# Allegro board RK3576_Template_LP5D315P132SD8_25x36_2400MHz_H1R6_V11_20240530YWQ.brd (continued)
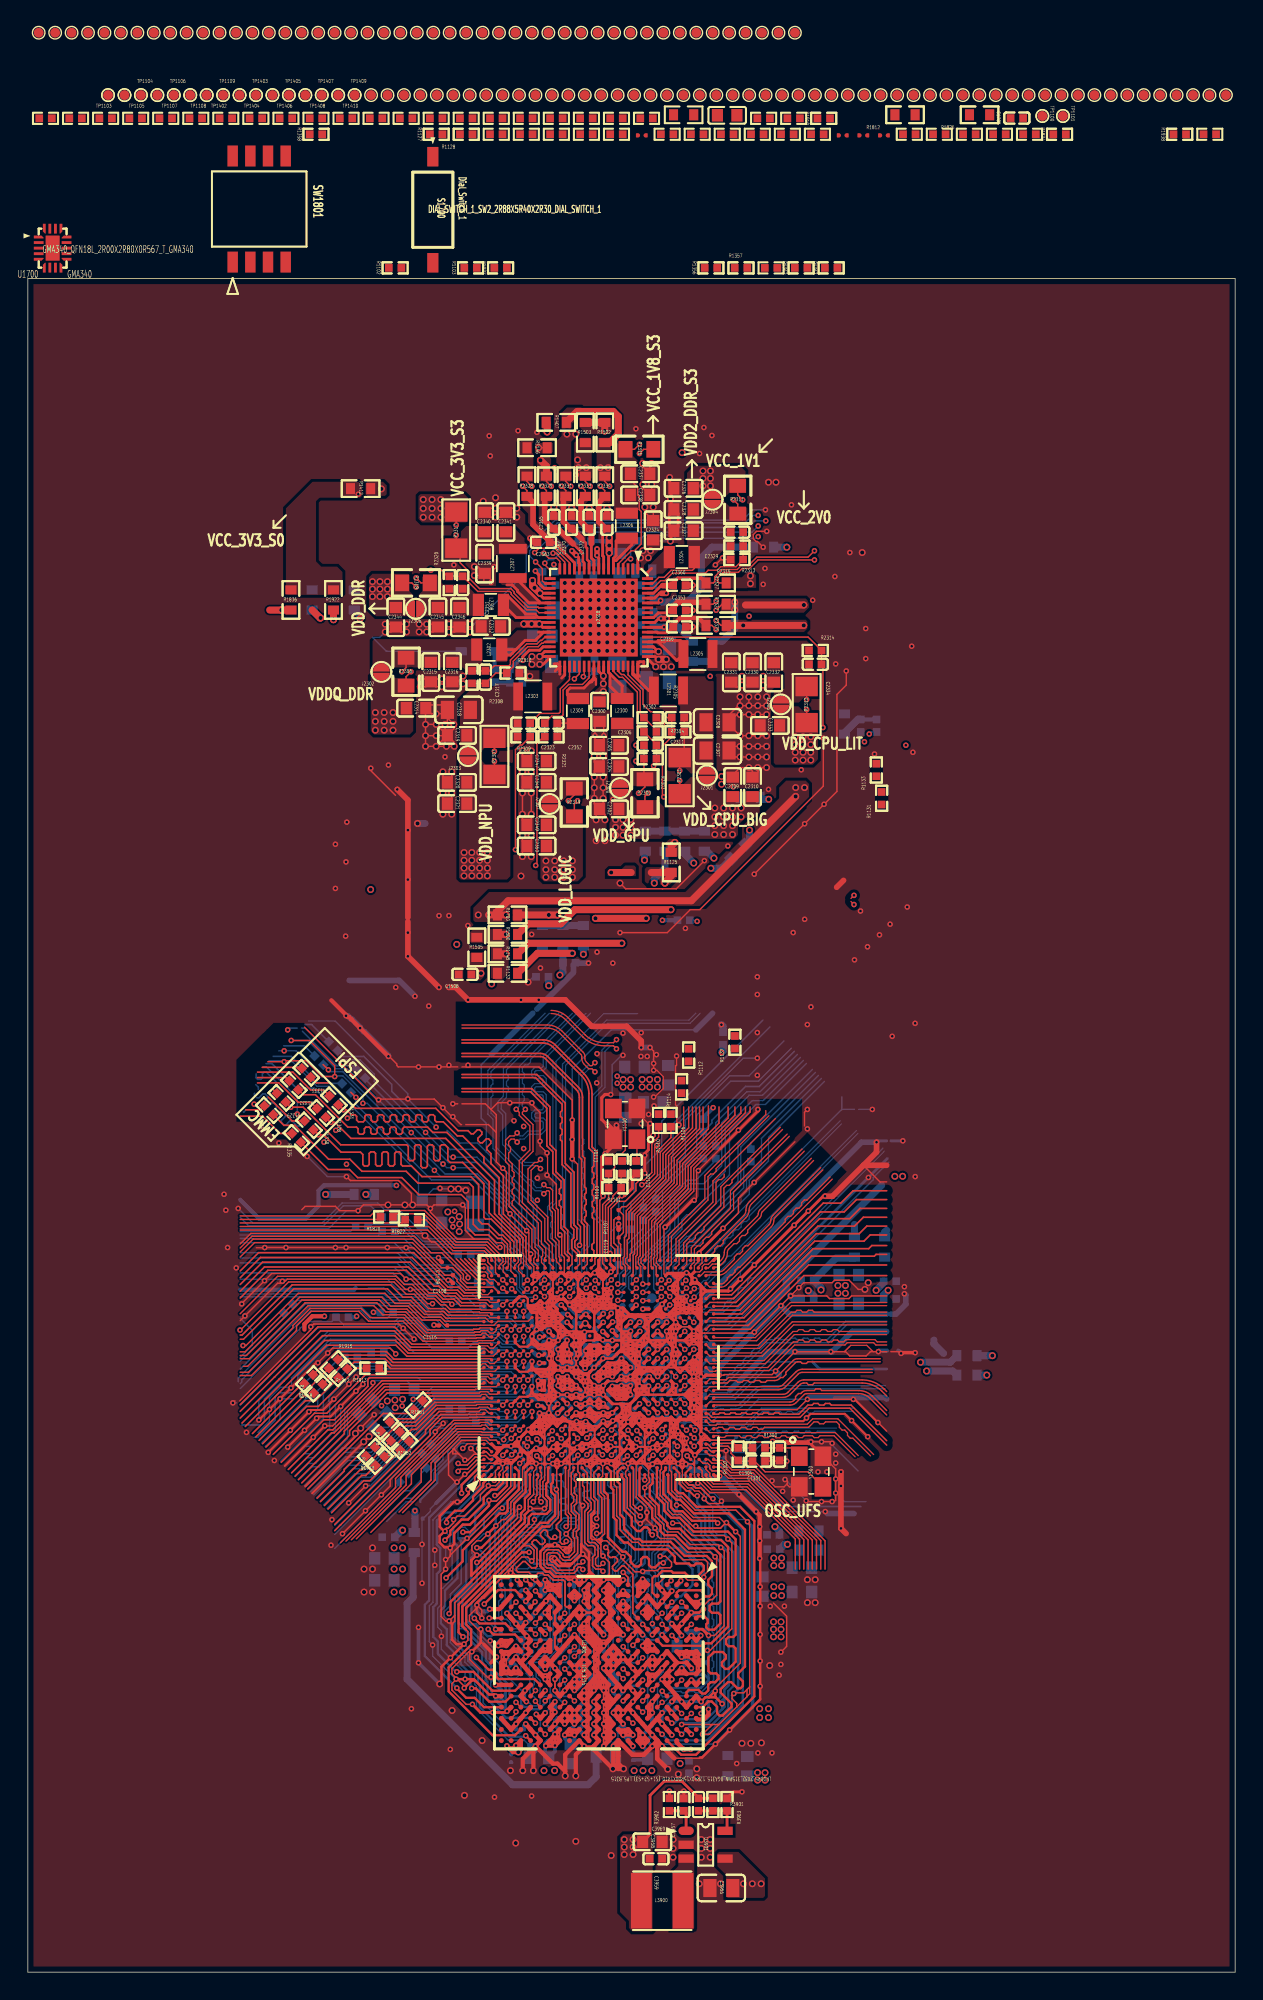
[diagram p0: board, top side]
## Routing (per net, layer and track width the routed paths; a pad name or vN(x,y) marks a point on that pad's centre or on a via; arc(x,y) is an arc through that point) (continued)
  L3-POWER w0.089: 45.11,39.86 45.34,39.63 ; 45.11,39.86 47.33,39.86 47.41,39.94 48.77,39.94 ; 45.11,39.86 44.92,40.05 44.92,40.48 ; 40.39,41.81 40.39,41.63 40.37,41.62 40.37,41.16 v1(40.05,40.83) ; 40.39,41.81 41.02,41.81 ; 40.39,41.81 39.91,41.81 39.72,41.62 39.72,41.16 v1(39.4,40.83) ; 44.92,40.48 44.76,40.48 44.73,40.51 44.46,40.51 44.43,40.48 42.35,40.48 41.67,41.16 v1(41.35,40.83) ; 44.92,40.48 44.92,40.97 44.73,41.16 43.81,41.16 43.79,41.14 43.15,41.14 43.14,41.15 42.29,41.15 41.63,41.81 41.02,41.81 ; v1(40.7,40.83) U1000.2G3 41.02,41.81
  L3-POWER w0.102: v1(28.96,100.71) 28.83,100.84 24.77,100.84 22.99,99.06 22.99,95.88 27.69,91.19 29.63,91.19 32.15,88.67 40.08,88.67 40.6,89.18 41.52,89.18 42.03,88.67 47.9,88.67 48.46,89.22 56.44,89.22 56.98,89.76 60.58,89.76 64.14,86.2 64.14,70.21 59.49,65.55 59.49,45.12 56.35,41.99 55.81,41.99 53.76,39.94 48.77,39.94 ; 45.34,39.63 45.61,39.36
  L3-POWER w0.381: v1(39.4,40.83) v1(40.05,40.83) v1(40.7,40.83) v1(41.35,40.83)
  L6-SIG w0.089: 40.39,41.81 40.39,41.63 40.37,41.62 40.37,41.16 v1(40.05,40.83) ; 40.39,41.81 41.02,41.81 ; 40.39,41.81 39.91,41.81 39.72,41.62 39.72,41.16 v1(39.4,40.83) ; v1(41.35,40.83) 41.94,41.43 41.94,41.68 41.81,41.81 41.02,41.81 ; 41.02,41.81 U1000.2G3 v1(40.7,40.83)
  L6-SIG w0.381: v1(41.35,40.83) v1(40.7,40.83) v1(40.05,40.83) v1(39.4,40.83)
  BOTTOM w0.305: 41.73,40.65 41.53,40.65 v1(41.35,40.83) 41.13,40.62 C1206.1 40.91,40.62 v1(40.7,40.83) 40.47,40.61 C1208.1 40.27,40.61 v1(40.05,40.83) 39.82,40.61 C1207.1 39.62,40.61 v1(39.4,40.83)
  vias: v1(63.08,88.14) v2(24.76,99.89) v2(24.76,99.35) v2(24.76,98.82) v2(25.3,99.89) v2(25.3,99.35) v2(25.3,98.82) v2(25.83,99.89) v2(25.83,99.35) v2(25.83,98.82) v2(53.59,29.75) v2(53.59,29.21) v2(54.15,29.75) v2(54.15,29.21)
VDD_DDR_S0_P: length 1.1
  TOP w0.102: v1(27.89,100.16) 28.25,99.8 R2318.2
VDD_GPU_S0: length 115.3
  TOP w0.102: U1000.2D4 39.05,41.83 38.45,41.83 ; v1(44.54,84.69) 44.34,84.48 R2300.1 ; 39.1,41.83 39.7,41.83 ; v1(44.96,86.66) 45.16,86.86 R2303.2 C2306.2 45.16,88.19 R2302.1 43.79,89.57 43.79,91.95 42.73,93.01 42.5,93.01 42.07,93.44 U2300.46
  TOP w0.178: v1(39.4,42.13) v1(38.75,42.13) v1(38.1,42.13) v1(38.1,42.78) v1(38.75,42.78)
  TOP w0.203: v1(39.4,42.13) U1000.2D4 v1(38.75,42.13)
  TOP w0.229: v1(38.75,42.13) U1000.2C4 v1(38.1,42.13) U1000.2C5 ; v1(38.75,42.13) U1000.2C5 ; v1(38.75,42.13) U1000.2D5 ; U1000.2C5 U1000.2D5 ; U1000.2C5 38.42,42.46 ; U1000.2D5 v1(39.4,42.13) U1000.2E4 ; U1000.2D5 v1(38.75,42.78) 38.42,42.46 ; 38.42,42.46 v1(38.1,42.78)
  L3-POWER w0.089: 37.7,39.83 38.21,39.83 38.4,40.02 38.4,40.42 38.48,40.51 38.88,40.51 39.07,40.7 U1000.2D4 v1(39.4,42.13) 39.72,42.46 39.72,42.92 39.53,43.11 39.26,43.11 38.93,42.78 v1(38.75,42.78) ; 34.16,43.03 37.48,43.03 37.72,42.78 v1(38.1,42.78)
  L3-POWER w0.102: 32.77,43.18 32.92,43.03 34.16,43.03 ; v1(25.41,40.69) 25.12,40.69 22.48,43.33 22.48,61.31 22.12,61.67 22.12,63.81 22.48,64.17 22.48,83.79 26.35,87.66 30.8,87.66 31.4,88.26 43.06,88.26 44.66,86.66 v1(44.96,86.66)
  L3-POWER w0.33: v1(38.1,42.78) v1(38.75,42.78)
  L6-SIG w0.089: v1(38.75,42.78) 38.93,42.78 39.26,43.11 39.53,43.11 39.72,42.92 39.72,42.46 v1(39.4,42.13) U1000.2D4 39.07,40.7 ; 38.12,39.75 38.86,39.75 39.07,39.96 39.07,40.7 ; 38.12,39.75 36.2,39.75 ; 38.12,39.75 38.4,40.02 38.4,40.42 38.48,40.51 38.88,40.51 39.07,40.7
  L6-SIG w0.33: v1(38.75,42.78) v1(38.1,42.78)
  BOTTOM w0.152: v1(39.4,42.13) v1(38.75,42.78) ; C1029.1 37.58,42.27 v1(38.1,42.78)
  BOTTOM w0.254: v1(38.1,42.78) 38.19,42.78 C1026.1 38.65,42.78 v1(38.75,42.78)
  BOTTOM w0.305: v1(38.1,42.13) 38.42,41.81 U1000.2C4 38.42,41.81 v1(38.75,42.13) 39.07,41.81 U1000.2D4 39.07,41.81 v1(39.4,42.13)
  vias: v1(26.9,40.67) v1(42.04,84.25) v2(25.82,41.03) v2(26.37,41.1) v2(26.39,40.55) v2(26.92,41.16) v2(42.22,82.79) v2(42.22,82.24) v2(42.22,81.68) v2(42.76,82.79) v2(42.76,82.24) v2(42.76,81.68) v2(43.32,82.79) v2(43.32,82.24) v2(43.32,81.68)
VDD_GPU_S0_P: length 3.7
  TOP w0.102: C2306.1 R2303.1 44.26,85.76 R2300.2 44.34,85.14 v1(43.88,84.69)
VDD_LOGIC_S0: length 119.5
  TOP w0.102: R2319.2 39.26,83.92 v1(39.49,84.15) ; U2300.41 40.32,92.98 39.85,92.5 38.85,92.5 38.46,92.11 38.46,90.32 38.35,90.22 37.63,90.22 C2352.2 R2321.2 37.05,88.74 36.58,88.27 36.58,79.59 v1(36.49,79.5)
  TOP w0.178: 40.97,45.06 40.42,45.06 ; v1(40.7,44.08) v1(40.05,44.08)
  TOP w0.203: v1(40.7,44.78) 40.24,44.78 v1(40.08,44.63) ; v1(40.08,44.63) 40.3,44.41 U1000.2F8 U1000.2F9 40.08,44.77 v1(40.08,44.63) ; v1(40.08,44.63) 40.08,44.12
  TOP w0.229: U1000.2G8 40.7,44.73 ; U1000.2G8 v1(40.7,44.08) ; U1000.2G8 41.11,44.5 ; U1000.2G8 U1000.2G9 41.02,45.06 ; U1000.2G8 U1000.2F8 ; 40.7,44.73 v1(40.7,44.78) ; 40.7,44.73 U1000.2F8 ; U1000.2F8 v1(40.05,44.08) ; U1000.2F8 v1(40.7,44.08) ; 41.58,44.5 U1000.2H8 v1(42,44.73) ; 41.58,44.5 41.11,44.5 ; 41.58,44.5 41.35,44.73 ; v1(41.35,44.78) 41.4,44.73 v1(42,44.73) ; v1(41.35,44.78) 41.07,45.06 41.02,45.06 ; v1(41.35,44.78) v1(40.7,44.78) ; v1(41.35,44.78) 41.35,44.73 ; v1(41.35,44.78) 41.4,44.78 U1000.2H9 v1(42,44.73) ; U1000.2E7 v1(40.05,44.08) ; U1000.2E7 39.72,43.71 v1(40.04,43.39) 40.04,43.43 U1000.2F7 ; U1000.2E7 U1000.2F7 ; v1(40.05,44.08) U1000.2F7 ; U1000.2F7 v1(40.7,44.08) ; 41.11,44.5 41.35,44.73 ; v1(40.7,44.78) 40.42,45.06 U1000.2F9 ; v1(40.7,44.78) 40.97,45.06 41.02,45.06 ; v1(42,44.73) U1000.2J9
  L3-POWER w0.089: 41.16,47.62 41.16,50.5 41.16,50.5 41.16,50.54 41.15,50.55 ; 41.16,47.62 40.89,47.36 40.89,45.24 v1(41.35,44.78) ; 41.16,47.62 41.31,47.62 41.58,47.89 41.53,47.95 41.57,47.99 41.57,50.46 41.66,50.55 ; 39.12,45.85 39.26,45.71 39.53,45.71 ; 39.12,45.85 37.92,47.05 37.92,47.87 ; 39.12,45.85 39.12,45.57 39.07,45.52 39.07,43.95 39.26,43.76 39.67,43.76 ; 39.72,43.76 39.67,43.76 ; 39.72,43.76 39.72,43.71 ; 39.72,43.76 40.04,44.08 ; 39.67,43.76 39.72,43.71 ; 37.31,50.55 37.31,50.44 37.8,49.96 37.8,48 37.92,47.87 ; 39.53,45.71 39.11,46.13 39.11,47.51 39.01,47.6 38.19,47.6 37.92,47.87 ; 39.53,45.71 40.05,45.19 ; 39.72,43.71 v1(40.04,43.39) ; 38.48,50.16 38.09,50.16 37.92,50 37.92,47.87
  L3-POWER w0.102: 41.15,50.55 41.15,52.7 ; 41.66,50.55 43.4,52.29 43.4,62.86 43.73,63.2 43.73,64.56 43.4,64.9 43.4,80.3 43.18,80.52 37.08,80.52 36.58,80.01 36.58,79.59 v1(36.49,79.5)
  L3-POWER w0.305: v1(41.35,44.78) 40.7,44.13 v1(40.7,44.08) v1(40.05,44.08)
  L3-POWER w0.356: v1(40.05,44.08) 40.04,44.08 v1(40.04,43.39)
  L4-SIG w0.089: v1(40.04,43.39) 40.05,43.39 40.4,43.75 41.85,43.75 42.16,44.06 42.16,44.57 v1(42,44.73)
  L6-SIG w0.089: v1(40.05,44.08) 39.72,43.76 39.26,43.76 39.07,43.95 39.07,45.52 39.24,45.69 39.24,46.35
  L6-SIG w0.305: v1(40.7,44.08) v1(40.05,44.08) ; v1(41.35,44.78) 40.7,44.13
  BOTTOM w0.089: v1(41.35,44.78) 41.4,44.73
  BOTTOM w0.229: v1(40.04,43.39) 40.04,43.39 39.76,43.11 C1024.1
  BOTTOM w0.254: v1(40.04,43.39) 39.72,43.72 C1016.1 ; C1015.1 40.47,44.31 v1(40.7,44.08) ; 41.4,44.73 v1(42,44.73) 42.02,44.73 C1023.1 ; 39.72,43.76 v1(40.05,44.08)
  BOTTOM w0.305: v1(40.05,44.08) 40.05,44.08 C1017.1 39.94,44.63 v1(40.08,44.63) 40.03,44.68 C1018.1 40.56,45.03 40.7,45.16 ; 40.7,45.16 v1(40.7,44.78) 40.37,44.46 C1015.1 ; 40.7,45.16 C1020.1 41.23,44.78 v1(41.35,44.78) 40.7,44.13 v1(40.7,44.08)
  vias: v1(42.34,64.36) v1(42.34,63.86) v2(37.22,79.83) v2(37.22,79.2) v2(37.22,78.66) v2(37.86,79.83) v2(37.86,79.2) v2(37.86,78.66) v2(38.49,79.83) v2(38.49,79.2) v2(38.49,78.66) v2(39.13,79.83) v2(39.13,79.2) v2(39.13,78.66) v2(42.77,64.12) v2(42.77,63.58) v2(43.31,64.12) v2(43.31,63.58)
VDD_LOGIC_S0_P: length 3.5
  TOP w0.102: R2321.1 C2352.1 39.49,89.73 L2309.2 ; v1(38.83,84.15) 39.26,84.58 R2319.1
VDD_NPU_S0: length 87
  TOP w0.089: 39.07,43.76 39.07,44.41
  TOP w0.102: v1(35.03,80.64) 35.03,87.82 35.37,88.16 35.5,88.16 R2309.2 C2323.2 36.79,90.42 38.15,90.42 38.25,90.53 38.25,92.19 38.92,92.85 38.92,93.08 38.92,93.09 U2300.37 ; v1(38.1,44.08) v1(38.1,44.73) ; R2307.2 v1(33.52,86.98)
  TOP w0.178: 39.07,44.41 U1000.2D8 v1(38.75,44.73) ; 39.07,43.76 U1000.2D7 39.01,43.81 38.48,43.81 ; 38.42,43.76 U1000.2C7
  TOP w0.229: v1(38.75,44.73) 38.72,44.76 ; v1(38.75,44.73) U1000.2C8 ; v1(38.75,44.73) v1(38.75,44.08) ; 38.72,44.76 U1000.2C9 ; 38.72,44.76 38.72,45.36 ; 39.07,43.76 v1(38.75,44.08) ; v1(38.75,44.08) U1000.2C7 ; v1(38.75,44.08) 39.07,44.41 ; v1(38.75,44.08) U1000.2C8 ; U1000.2C9 v1(38.1,44.73) U1000.2C8 ; U1000.2C9 U1000.2C8 ; U1000.2C9 38.72,45.36 ; U1000.2C8 v1(38.1,44.08) 38.42,43.76 U1000.2C8 ; v1(38.75,45.38) 38.72,45.36
  L3-POWER w0.089: 37.49,46.64 v1(38.75,45.38) ; 34.16,43.23 37.24,43.23 37.45,43.43 ; v1(38.1,44.08) 37.45,43.43 ; 37.45,43.43 36.07,43.43
  L3-POWER w0.102: v1(35.03,80.64) 34.82,80.64 34.37,81.09 31.14,81.09 29.9,79.84 29.9,65.01 30.18,64.72 30.18,56.62 29.99,56.43 29.99,54.79 v2(30.17,54.61) ; v2(30.48,54.03) 30.1,53.65 30.1,50.55 29.85,50.29 29.85,47 33.62,43.23 34.16,43.23
  L3-POWER w0.229: 38.61,45.85 38.75,45.71 38.75,45.38
  L3-POWER w0.33: v1(38.1,44.08) v1(38.75,44.08) v1(38.75,44.73) 38.75,45.38 v1(38.75,45.38)
  L6-SIG w0.33: v1(38.1,44.08) v1(38.75,44.08) v1(38.75,44.73) 38.75,45.38 v1(38.75,45.38)
  BOTTOM w0.229: v1(38.1,44.73) v1(38.1,44.08)
  BOTTOM w0.254: v1(38.75,44.08) 38.52,44.31 C1035.1 38.33,44.31 v1(38.1,44.08)
  BOTTOM w0.305: C1034.1 37.7,44.98 C1032.1 38.09,44.73 v1(38.1,44.73) ; C1036.1 38.45,45.68 v1(38.75,45.38) 38.53,45.17 C1033.1 38.53,44.95 v1(38.75,44.73)
  vias: v1(30.54,53.55) v1(30.66,54.66) v2(30.99,54.28) v2(31.02,53.74) v2(30.99,53.2) v2(31.34,80.43) v2(31.34,79.87) v2(31.34,79.31) v2(31.34,78.75) v2(31.9,80.43) v2(31.9,79.87) v2(31.9,79.31) v2(31.9,78.75) v2(32.46,80.43) v2(32.46,79.87) v2(32.46,79.31) v2(32.46,78.75) v2(33.02,80.43) v2(33.02,79.87) v2(33.02,79.31) v2(33.02,78.75)
VDD_NPU_S0_P: length 0.9
  TOP w0.102: R2307.1 v1(33.52,87.7)
VDDA0V75_HDMI_S0_P: length 6.9
  TOP w0.102: R2331.1 38.65,106.43 v1(38.35,106.74)
  TOP w0.178: 39.81,102.95 40.09,102.67 40.09,102.38 40.18,102.29 40.18,101.47 40.32,101.33 U2300.11
  TOP w0.406: 39.81,102.95 C2367.1 38.98,103.7 38.48,104.2 38.48,105.84 R2331.1
VDDA_0V75_S0: length 8.8
  TOP w0.102: v1(41.8,106.74) 41.45,107.09 R2334.2
  TOP w0.508: R1148.2 v2(34.35,73.15) ; R1500.2 v2(34.35,74.55) ; R1407.2 39.47,112.12 42.06,112.12 42.42,111.76 42.42,110.49 41.8,109.88 R1502.2
  vias: v2(41.13,108.08) v2(41.69,108.08)
VDDA_0V75_S0_P: length 6.7
  TOP w0.102: v1(41.14,106.74) 41.45,106.43 R2334.1
  TOP w0.203: C2372.1 41.3,103.4 41.3,101.75 41.37,101.68 U2300.8
  TOP w0.406: R2334.1 41.02,105.59 41.02,104.2 41.52,103.7 C2372.1
VDDA_0V85_S0: length 72.2
  TOP w0.102: v1(40.4,106.74) 40.05,107.09 R2333.2
  TOP w0.508: R1700.2 v2(34.35,75.95) ; R1700.2 v2(33.12,75.95) ; R1700.2 33.74,76.19 34.51,76.97 47.67,76.97 v2(55.17,84.46)
  L4-SIG w0.508: 62.01,57.75 62.59,57.17 v2(62.85,57.17) 62.85,56.02 64.38,54.49 64.38,48.71 65.79,47.3 65.79,44.45 ; 61.7,58.06 58.8,60.96 58.8,76.51 55.14,80.2 v2(55.17,84.46)
  BOTTOM w0.508: 59.39,53.71 R1403.2
  vias: v1(39.41,107.57) v2(32.36,75.95) v2(39.5,108.64) v2(39.56,108.08) v2(40.12,108.08) v2(55.17,85.09) v2(55.8,85.09) v2(62.29,57.17)
VDDA_0V85_S0_P: length 6.6
  TOP w0.102: v1(39.74,106.74) 40.05,106.43 R2333.1
  TOP w0.203: U2300.10 40.67,101.41 40.48,101.6 40.48,102.62
  TOP w0.406: R2333.1 39.75,105.71 39.75,104.2 40.25,103.7 C2370.1 40.48,103.55 40.48,102.62
VDDA_1V2_S0: length 24.9
  TOP w0.102: R2325.2 49.8,96.75 v1(49.45,97.1)
  TOP w0.508: v2(55.75,96.75) v2(51.4,96.75) R2325.2
  L4-SIG w0.508: v2(51.85,82.04) 51.85,84.77 49.94,86.68 49.94,93.6 51.56,95.22 51.56,96.58 v2(51.4,96.75)
  BOTTOM w0.508: R1308.2 v2(69.3,44.29) ; R1504.2 51.85,81.32 51.85,82.04 v2(51.85,82.04)
VDDA_1V2_S0_P: length 5.8
  TOP w0.102: R2325.1 49.14,96.75 v1(49.45,96.44)
  TOP w0.203: U2300.57 45.21,96.26 45.26,96.22 45.95,96.22 C2356.1
  TOP w0.305: C2356.1 46.37,96.79 46.86,97.28 48.19,97.28 R2325.1
VDDA_DDR_PLL_S0: length 51.5
  TOP w0.102: R2329.2 37.26,107.09 v1(37.61,106.74)
  TOP w0.229: U1000.2C3 38.73,40.85 v1(38.75,40.85)
  TOP w0.508: R2329.2 37.26,108.18 v2(36.83,108.61)
  L4-SIG w0.089: 38.23,41.81 38.88,41.81 39.07,41.62 39.07,41.17 v1(38.75,40.85) 38.44,41.16 U1000.2C3 ; 38.23,41.81 38.42,41.62 U1000.2C3 ; 38.23,41.81 37.79,41.81 37.43,41.45 37.72,41.16 U1000.2C3
  L4-SIG w0.102: 37.43,41.45 36.7,41.45 36.42,41.73 32.44,41.73 32.26,41.91
  L4-SIG w0.508: 32.26,41.91 27.56,41.91 24.64,44.83 22.73,44.83 19.48,48.09 19.48,52.96 22.1,55.58 22.1,59.71 20.96,60.86 20.96,69.11
  BOTTOM w0.305: v1(38.75,40.85) 39.01,40.59 C1213.1
VDDA_DDR_PLL_S0_P: length 7.5
  TOP w0.102: R2329.1 37.26,106.43 v1(36.95,106.74)
  TOP w0.178: 39.18,102.6 39.88,101.9 39.88,101.34 39.97,101.25 U2300.12
  TOP w0.406: 39.18,102.6 38.21,103.57 37.92,103.57 C2365.1 37.71,103.7 37.13,104.28 37.13,105.89 R2329.1
VDDA_HDMI_S0: length 80.2
  TOP w0.102: R2331.2 38.65,107.09 v1(39.01,106.74)
  TOP w0.229: v1(45.9,46.68) U1000.2P11 ; v1(45.25,46.68) U1000.2N11
  L4-SIG w0.203: 48.39,47.5 48.01,47.12 45.68,47.12 v1(45.25,46.68)
  L4-SIG w0.508: 48.39,47.5 49.28,48.39 49.28,49.91 ; 45.13,83.44 45.13,85.3 44.24,86.19 44.24,93.9 44.7,94.36 44.7,99.82 45.54,100.66 45.54,107.17 45.14,107.57 44.13,107.57 41.84,109.86 40.89,109.86 40.26,110.49 v2(39.37,110.49)
  L4-SIG w0.635: 49.28,49.91 51.14,51.77 51.14,57.91 51.94,58.72 51.94,60.75 51.31,61.38 51.14,61.38 51.14,75.34 45.72,80.76 45.72,82.85 45.13,83.44
  BOTTOM w0.305: v1(45.25,46.68) 45.25,46.77 45.65,47.17 C1601.1 45.9,47.01 v1(45.9,46.68) v1(45.25,46.68) ; v1(45.25,46.68) 44.97,46.4 C1600.1
  vias: v2(38.73,110.49)
VDDQ_DDR_CKE_S3: length 22.7
  TOP w0.229: U1000.2B2 38.07,40.8 v1(38.07,40.81)
  L4-SIG w0.089: 37.08,40.02 37.08,39.79 37.49,39.79 37.75,40.05 37.75,40.29 38.07,40.61 v1(38.07,40.81) 37.83,40.81 37.53,40.51 37.21,40.51 37.08,40.39 37.08,40.02
  L4-SIG w0.178: 31.75,40 31.88,39.88 36.52,39.88 36.61,39.79 37.08,39.79
  L4-SIG w0.508: 33.27,40 29.64,40 27.81,38.18 v1(27.81,33.15)
  BOTTOM w0.305: C1214.1 38.07,40.84 v1(38.07,40.81)
  BOTTOM w0.508: v1(27.81,33.15) C3901.1 27.81,31.64 R3906.2
VDDQ_DDR_S0: length 94.4
  TOP w0.102: 41.07,39.91 41.62,39.91 ; v1(27.53,93.42) 27.17,93.06 R2306.1 ; 39.12,39.91 39.67,39.91 U1000.2E1 39.75,39.88 40.35,39.88 U1000.2F1
  TOP w0.127: U3900.G15 43.85,16.66 43.85,17.41 U3900.G14 ; U3900.F13 44.55,18.26 44.55,19.01 U3900.F12 ; 38.2,17.41 38.2,16.66 U3900.R15 ; U3900.T3 U3900.T4 ; U3900.T13 37.55,18.26 37.55,19.01 U3900.T12 ; v1(37.17,28.18) v1(37.17,27.43) ; v1(44.87,19.43) v1(44.87,18.63)
  TOP w0.178: v1(42,40.18) v1(41.35,40.18) 41.34,40.19 40.69,40.19
  TOP w0.203: U1000.2E1 39.42,40.16 ; U1000.2F1 40.37,39.86 40.69,40.18 ; v1(42,40.18) U1000.2J2
  TOP w0.229: 40.69,40.19 40.69,40.18 v1(40.05,40.18) ; 40.69,40.19 U1000.2G1 ; 40.69,40.19 U1000.2F2 v1(40.05,40.18) ; 40.02,40.16 39.42,40.16 v1(39.4,40.18) U1000.2D1 ; 40.02,40.16 U1000.2E1 ; 40.02,40.16 v1(40.05,40.18) ; v1(40.05,40.18) U1000.2F1 40.4,39.86 ; 40.4,39.86 40.71,39.55 U1000.2G1 ; 40.4,39.86 U1000.2G1 ; v1(44.17,27.43) v1(44.17,28.23) ; U1000.2G1 v1(41.35,40.18) U1000.2H1 v1(42,40.18) ; v1(37.21,16.26) 37.23,16.23 37.82,16.23 v1(37.87,16.28) v1(37.87,17.08) ; v1(48.37,26.63) 47.67,26.63 ; U3900.F4 U3900.F3 ; 37.87,27.43 v1(37.17,27.43) ; v1(44.17,17.03) v1(44.17,16.23) ; U3900.R2 U3900.R1 U3900.T1 ; U3900.G1 U3900.G2
  TOP w0.305: U3900.B14 v1(47.67,17.08) ; U3900.T1 v1(37.17,28.18) ; U3900.T1 v1(37.17,27.43) ; U3900.T1 37.87,27.43 ; U3900.R2 37.87,27.43 ; 37.87,27.43 U3900.R1 ; v1(48.9,18.88) 48.9,18.51 48.55,18.15 48.1,18.15 U3900.A13 ; v1(33.18,26.08) 33.87,26.08 U3900.AA3 ; U3900.R14 v1(37.87,17.08) U3900.T15 v1(37.87,16.28) ; v1(44.17,28.23) U3900.G1 v1(44.17,27.43) U3900.G2
  TOP w0.33: U3900.V12 v1(35.77,18.63) U3900.W13 v1(35.07,17.83) U3900.Y14 U3900.AA13 ; U3900.D12 46.25,18.66 v1(46.25,18.63) 46.27,18.63 U3900.C13 ; U3900.V4 v1(35.77,25.83) U3900.W3 ; U3900.E11 v1(44.87,19.43) U3900.F12 v1(44.87,18.63) U3900.F13 ; U3900.T4 v1(37.17,25.83) U3900.T3 ; v1(44.17,17.03) U3900.G15 v1(44.17,16.23) U3900.F15 v1(44.17,17.03) ; v1(44.17,17.03) U3900.G14 ; U3900.Y2 U3900.AA3 ; v1(37.87,19.43) U3900.T12 v1(37.87,18.68) U3900.T13 v1(37.17,17.83) ; v1(44.17,28.23) U3900.F1 v1(44.17,27.43) ; U3900.C3 v1(46.27,25.83) U3900.D4 ; v1(37.21,16.26) 37.21,16.28 U3900.T15 ; U3900.U5 v1(37.17,24.28) ; U3900.E5 v1(44.87,24.23) ; U3900.U11 v1(37.17,20.23) ; v1(37.87,16.28) U3900.R15 v1(37.87,17.08) ; v1(48.37,26.63) U3900.A3 U3900.B2 ; 44.87,25.83 U3900.F4 v1(44.17,25.83) U3900.F3 44.87,25.83
  L3-POWER w0.089: 38.61,35.69 39.1,36.18 39.1,39.89 v1(39.4,40.18)
  L3-POWER w0.305: v1(42,40.18) v1(41.35,40.18) v1(40.05,40.18) v1(39.4,40.18)
  L6-SIG w0.305: v1(39.4,40.18) v1(40.05,40.18) v1(41.35,40.18) v1(42,40.18)
  BOTTOM w0.089: v1(39.4,40.18) 38.93,39.72 R1201.2
  BOTTOM w0.203: v1(42,40.18) 42.11,40.18 42.42,39.88 42.42,39.27 R1200.1 ; v1(48.9,18.88) 48.9,19.34 C3914.1 ; v1(37.87,17.08) 37.87,17.16 C3917.1 37.2,17.83 v1(37.17,17.83) 37.17,17.92 C3919.1 37.87,18.62 v1(37.87,18.68) ; v1(35.07,17.83) 35.07,17.63 35.08,17.62 C3918.1
  BOTTOM w0.254: v1(37.17,27.43) v1(37.17,28.18) 36.85,27.86 C3924.1 ; v1(37.17,27.43) 36.85,27.75 C3924.1 ; v1(37.17,27.43) 37.17,27.25 C3913.1 36.88,27.78 C3924.1 ; 44.17,27.75 v1(44.17,28.23) 44.26,28.15 C3923.1 44.17,27.75 ; 44.17,27.75 v1(44.17,27.43) ; v1(44.17,25.83) 44.4,25.61 C3912.1 ; C3925.1 35.53,26.07 v1(35.77,25.83) ; C3921.1 33,25.91 v1(33.18,26.08) ; C3910.1 44.6,24.51 v1(44.87,24.23) ; v1(46.27,25.83) 46.58,25.53 C3922.1 ; R3900.1 44.43,15.24 C3906.1 44.53,15.88 v1(44.17,16.23) 44,16.41 C3911.1 44.17,16.85 v1(44.17,17.03) 44.83,17.69 44.83,18.59 v1(44.87,18.63) v1(44.87,19.43) ; C3908.1 37.17,15.65 37.17,16.45 37.36,16.64 37.71,16.28 v1(37.87,16.28) 37.87,15.85 C3908.1
  BOTTOM w0.305: C3915.1 48.13,26.39 48.13,26.4 v1(48.37,26.63) ; C3909.1 46.49,18.88 v1(46.25,18.63) ; v1(39.4,40.18) 39.44,40.18 C1201.1 39.75,39.89 v1(40.05,40.18) 40.23,40 C1203.1 41.16,40 v1(41.35,40.18) 41.38,40.18 C1200.1 41.95,40.18 v1(42,40.18) ; C3916.1 37.13,25.83 v1(37.17,25.83) ; v1(37.87,19.43) v1(37.87,18.68)
  vias: v2(24.97,90.49) v2(24.97,89.85) v2(24.97,89.22) v2(25.6,90.49) v2(25.6,89.85) v2(25.6,89.22) v2(26.24,90.49) v2(26.24,89.85) v2(26.24,89.22) v2(26.31,30.48) v2(26.31,28.96) v2(26.31,27.3) v2(26.92,30.48) v2(26.92,28.96) v2(26.92,27.3) v2(37.08,14.48) v2(37.85,14.48) v2(43.56,14.48) v2(44.2,14.48) v2(44.83,14.48) v2(52.58,18.92) v2(52.58,18.29) v2(53.21,18.92) v2(53.21,18.29) v2(53.59,27.69) v2(53.59,27.05) v2(54.15,27.69) v2(54.15,27.05)
VDDQ_DDR_S0_P: length 7.9
  TOP w0.102: R2308.1 C2317.1 33.15,93.48 33.52,93.85 34.57,93.85 34.67,93.95 34.67,94.25 35.84,95.42 36.58,95.42 36.83,95.67 36.91,95.67 37.16,95.91 U2300.30 ; v1(26.87,93.42) 27.17,93.72 R2306.2
BT_REG_ON_H: length 18
  BOTTOM w0.102: 15.26,51.69 26.54,51.69 27.68,50.55 30.46,50.55 31.48,49.53 R1819.2
BT_WAKE_HOST_H: length 21
  BOTTOM w0.102: R1120.2 42.44,53.22 42.8,53.58 42.8,55.24 43.56,56.01 43.56,57.2 45.54,59.18 45.54,61.12 52.81,68.4
DDR_PLL_AVDD1V8: length 19.6
  TOP w0.229: U1000.2D2 38.75,40.19 38.75,40.14 v1(38.75,40.13)
  L4-SIG w0.229: v1(38.75,40.13) 38,39.38 33.54,39.38 33.53,39.37
  L4-SIG w0.508: v2(26.92,31.75) 27.3,31.75 28.45,32.89 28.45,37.08 30.73,39.37 33.53,39.37
  BOTTOM w0.305: v1(38.75,40.13) 38.74,40.13 C1212.1
  BOTTOM w0.508: R1202.2 26.87,31.75 v2(26.92,31.75)
DDR_PLL_AVSS: length 2.1
  TOP w0.229: U1000.2C2 v1(38.07,40.16)
  BOTTOM w0.305: R1203.1 C1212.2 37.78,39.87 v1(38.07,40.16) 38.41,40.5 C1213.2
DP_TX_AUXN: length 16.3
  TOP w0.107: U1000.2T3 v1(47.2,40.83)
  BOTTOM w0.098: 61.6,42.14 52.92,42.14 arc(52.51,42.05) 52.16,41.82 51.14,40.8 arc(51.01,40.72) 50.86,40.69 49.78,40.69 arc(49.54,40.64) 49.33,40.5 48.85,40.02 arc(48.74,39.95) 48.63,39.93 47.68,39.93 47.53,40.08 47.53,40.5 v1(47.2,40.83)
DP_TX_AUXP: length 16
  TOP w0.107: U1000.2T2 v1(47.2,40.18)
  BOTTOM w0.098: v1(47.2,40.18) 47.2,40.1 47.59,39.7 48.63,39.7 arc(48.83,39.74) 49,39.86 49.48,40.34 arc(49.62,40.43) 49.78,40.46 49.98,40.46 50.09,40.35 50.4,40.35 50.51,40.46 50.86,40.46 arc(51.1,40.51) 51.3,40.65 52.32,41.66 arc(52.59,41.85) 52.92,41.91 61.6,41.91
EMMC_CLKOUT: length 2.5
  BOTTOM w0.114: R1337.2 19.87,66.55 18.39,66.55
EMMC_CMD: length 2.2
  BOTTOM w0.114: R1336.2 20.39,68.07 19.91,68.07
EMMC_D0: length 5
  TOP w0.114: 16.5,63.88 18.03,63.88 19.43,62.48 20.34,62.48 R1328.2
EMMC_D1: length 0.4
  TOP w0.114: R1329.2 17.64,63.39
EMMC_D2: length 3.3
  TOP w0.114: R1330.2 18.99,61.15 17.27,62.86
EMMC_D3: length 5.9
  TOP w0.114: 16.5,64.66 19.04,64.66 20.32,63.37 21.24,63.37 R1331.2
EMMC_D4: length 2.4
  TOP w0.114: R1332.2 18.56,64.26 16.5,64.26
EMMC_D5: length 2.9
  TOP w0.114: R1333.2 19.62,65 16.84,65
EMMC_D6: length 1.5
  TOP w0.114: R1334.2 16.71,61.95 15.66,61.95
EMMC_D7: length 4.2
  TOP w0.114: 15.26,61.5 16.86,61.5 18.11,60.25 R1335.2
EMMC_DATA_STROBE: length 5
  BOTTOM w0.114: R1338.2 23.35,65.12 22.2,65.12 19.73,67.59
EMMC_RSTN: length 5.7
  BOTTOM w0.114: R1339.2 20.87,63.84 18.92,65.79 17.63,65.79
FSPI0_CLK/EMMC_CLK: length 23.3
  TOP w0.114: 21.22,65.19 v1(21.59,64.82)
  BOTTOM w0.114: R1310.2 36.29,50.84 35,52.12 35,54.63 32.29,57.34 29.98,57.34 22.62,64.7 21.72,64.7 v1(21.59,64.82) R1337.1
FSPI0_CSN0/EMMC_RSTN: length 21.4
  TOP w0.114: R1339.1 v1(23.57,62.84) ; U1000.1D23 v1(35.89,49.71)
  BOTTOM w0.114: R1339.1 v1(23.57,62.84) 23.57,62.34 29,56.92 31.98,56.92 34.04,54.86 34.04,52.45 35.89,50.59 v1(35.89,49.71)
FSPI0_D0/EMMC_D0: length 21.3
  TOP w0.089: 35.14,52.45 35.14,51.43 35.24,51.33 35.24,51.02 34.97,50.75 U1000.E28
  TOP w0.114: 35.14,52.45 35.14,52.56 33.15,54.55 33.15,56.77 30.02,59.89 23.21,59.89 22.06,61.05 v1(21.77,61.05) R1328.1
  BOTTOM w0.114: R1328.1 v1(21.77,61.05)
FSPI0_D1/EMMC_D1: length 31.4
  TOP w0.089: U1000.E29 34.92,51.18 34.92,52.45
  TOP w0.114: R1329.1 v1(18.89,62.13) 19.78,62.13 22.48,59.44 27.22,59.44 27.33,59.32 27.33,58.41 27.45,58.29 27.67,58.29 27.79,58.41 27.79,59.32 27.9,59.44 28.13,59.44 28.25,59.32 28.25,57.9 28.36,57.78 28.59,57.78 28.7,57.9 28.7,59.32 28.82,59.44 29.05,59.44 29.16,59.32 29.16,58.41 29.27,58.29 29.5,58.29 29.62,58.41 29.62,59.32 29.73,59.44 29.97,59.44 30.18,59.23 30.18,58.92 30.18,58.33 30.34,58.17 31.24,58.17 32.77,56.64 32.77,54.22 32.88,54.1 33.29,54.1 34.78,52.61 34.78,52.59 34.92,52.45
  BOTTOM w0.114: 18.53,62.5 v1(18.89,62.13)
FSPI0_D2/EMMC_D2: length 27.8
  TOP w0.089: 34.73,51.65 34.73,51.27 34.7,51.25 34.7,50.35 U1000.1C24
  TOP w0.102: 34.73,51.65 34.67,51.71
  TOP w0.114: R1330.1 v1(20.88,60.15) 21.26,60.15 22.5,58.9 23.9,58.9 24.07,58.74 24.07,58.03 24.18,57.91 24.41,57.91 24.53,58.03 24.53,58.81 24.64,58.93 24.87,58.93 24.98,58.81 24.98,58.03 25.1,57.91 25.33,57.91 25.44,58.03 25.44,58.81 25.55,58.93 25.78,58.93 25.9,58.81 25.9,58.03 26.01,57.91 26.24,57.91 26.35,58.03 26.35,58.81 26.47,58.93 26.7,58.93 26.81,58.81 26.81,58.03 26.93,57.91 27.56,57.91 28.32,57.15 31.83,57.15 32.39,56.59 32.39,54 32.63,53.76 33.06,53.76 33.87,52.95 34.12,52.95 34.67,52.4 34.67,51.71
  BOTTOM w0.114: R1330.1 v1(20.88,60.15)
FSPI0_D3/EMMC_D3: length 26.4
  TOP w0.089: U1000.F28 35.61,50.68 35.61,51.59 35.57,51.64 35.57,52.07
  TOP w0.102: 35.57,52.07 35.57,52.45
  TOP w0.114: 35.57,52.45 35.57,52.75 33.86,54.46 33.86,57.07 32.77,58.17 32.77,58.55 31.24,60.07 30.86,60.07 29.84,61.09 29.35,61.09 29.24,61.2 29.24,61.48 29.12,61.59 28.89,61.59 28.78,61.48 28.78,61.2 28.67,61.09 28.44,61.09 28.32,61.2 28.32,61.48 28.21,61.59 27.98,61.59 27.87,61.48 27.87,61.2 27.75,61.09 27.52,61.09 27.41,61.2 27.41,61.48 27.29,61.59 27.07,61.59 26.95,61.48 26.95,61.2 26.84,61.09 26.61,61.09 26.49,61.2 26.49,61.48 26.38,61.59 26.15,61.59 26.04,61.48 26.04,61.2 25.92,61.09 25.69,61.09 25.58,61.2 25.58,61.48 25.47,61.59 25.24,61.59 25.12,61.48 25.12,61.2 25.01,61.09 24.78,61.09 24.67,61.2 24.67,61.48 24.55,61.59 24.32,61.59 24.21,61.48 24.21,61.2 24.09,61.09 23.75,61.09 23.62,61.21 23.62,61.48 23.51,61.59 23.24,61.59 22.89,61.94 v1(22.67,61.94) R1331.1
  BOTTOM w0.114: R1331.1 v1(22.67,61.94)
FSPI0_D4/EMMC_D4: length 27.7
  TOP w0.089: U1000.1D24 35.25,50.4 35.25,50.77 35.43,50.95 35.43,51.45 35.35,51.53
  TOP w0.102: 35.35,51.53 35.35,52.45
  TOP w0.114: 35.35,52.45 35.35,52.66 33.53,54.49 33.53,56.9 30.1,60.32 29.1,60.32 28.72,60.71 27.04,60.71 26.92,60.59 26.92,60.31 26.81,60.2 26.58,60.2 26.46,60.31 26.46,60.59 26.35,60.71 26.12,60.71 26.01,60.59 26.01,60.31 25.89,60.2 25.66,60.2 25.55,60.31 25.55,60.59 25.44,60.71 25.21,60.71 25.09,60.59 25.09,60.31 24.98,60.2 24.75,60.2 24.64,60.31 24.64,60.59 24.52,60.71 24.29,60.71 24.18,60.59 24.18,60.31 24.06,60.2 23.84,60.2 23.72,60.31 23.72,60.59 23.61,60.71 22.99,60.71 20.66,63.03 19.79,63.03 R1332.1
FSPI0_D5/EMMC_D5: length 26.6
  TOP w0.089: 35.78,51.75 35.8,51.73 35.8,50.85 U1000.G28
  TOP w0.114: R1333.1 20.74,63.88 21.72,63.88 23.54,62.06 29.31,62.06 30.91,60.45 31.62,60.45 31.85,60.23 32.01,60.23 32.29,60.51 32.45,60.51 32.62,60.35 32.62,60.19 32.33,59.9 32.33,59.74 32.5,59.58 32.66,59.58 32.94,59.86 33.1,59.86 33.26,59.7 33.26,59.54 32.98,59.26 32.98,59.1 33.27,58.8 33.27,58.09 34.16,57.2 34.16,54.46 35.78,52.84 35.78,51.75
